# Altium PCB Main_Board.PcbDoc (part 2 of 2)
Units mm, origin at the board's own origin, x right, y up, seen from the top; angles counter-clockwise.
Board outline 51 x 118 mm, 4 copper layers (Top Layer, Layer 1, Layer 4, Bottom Layer), stack 0.603 mm thick; 237 components, 166 nets, 767 pads, 560 vias.
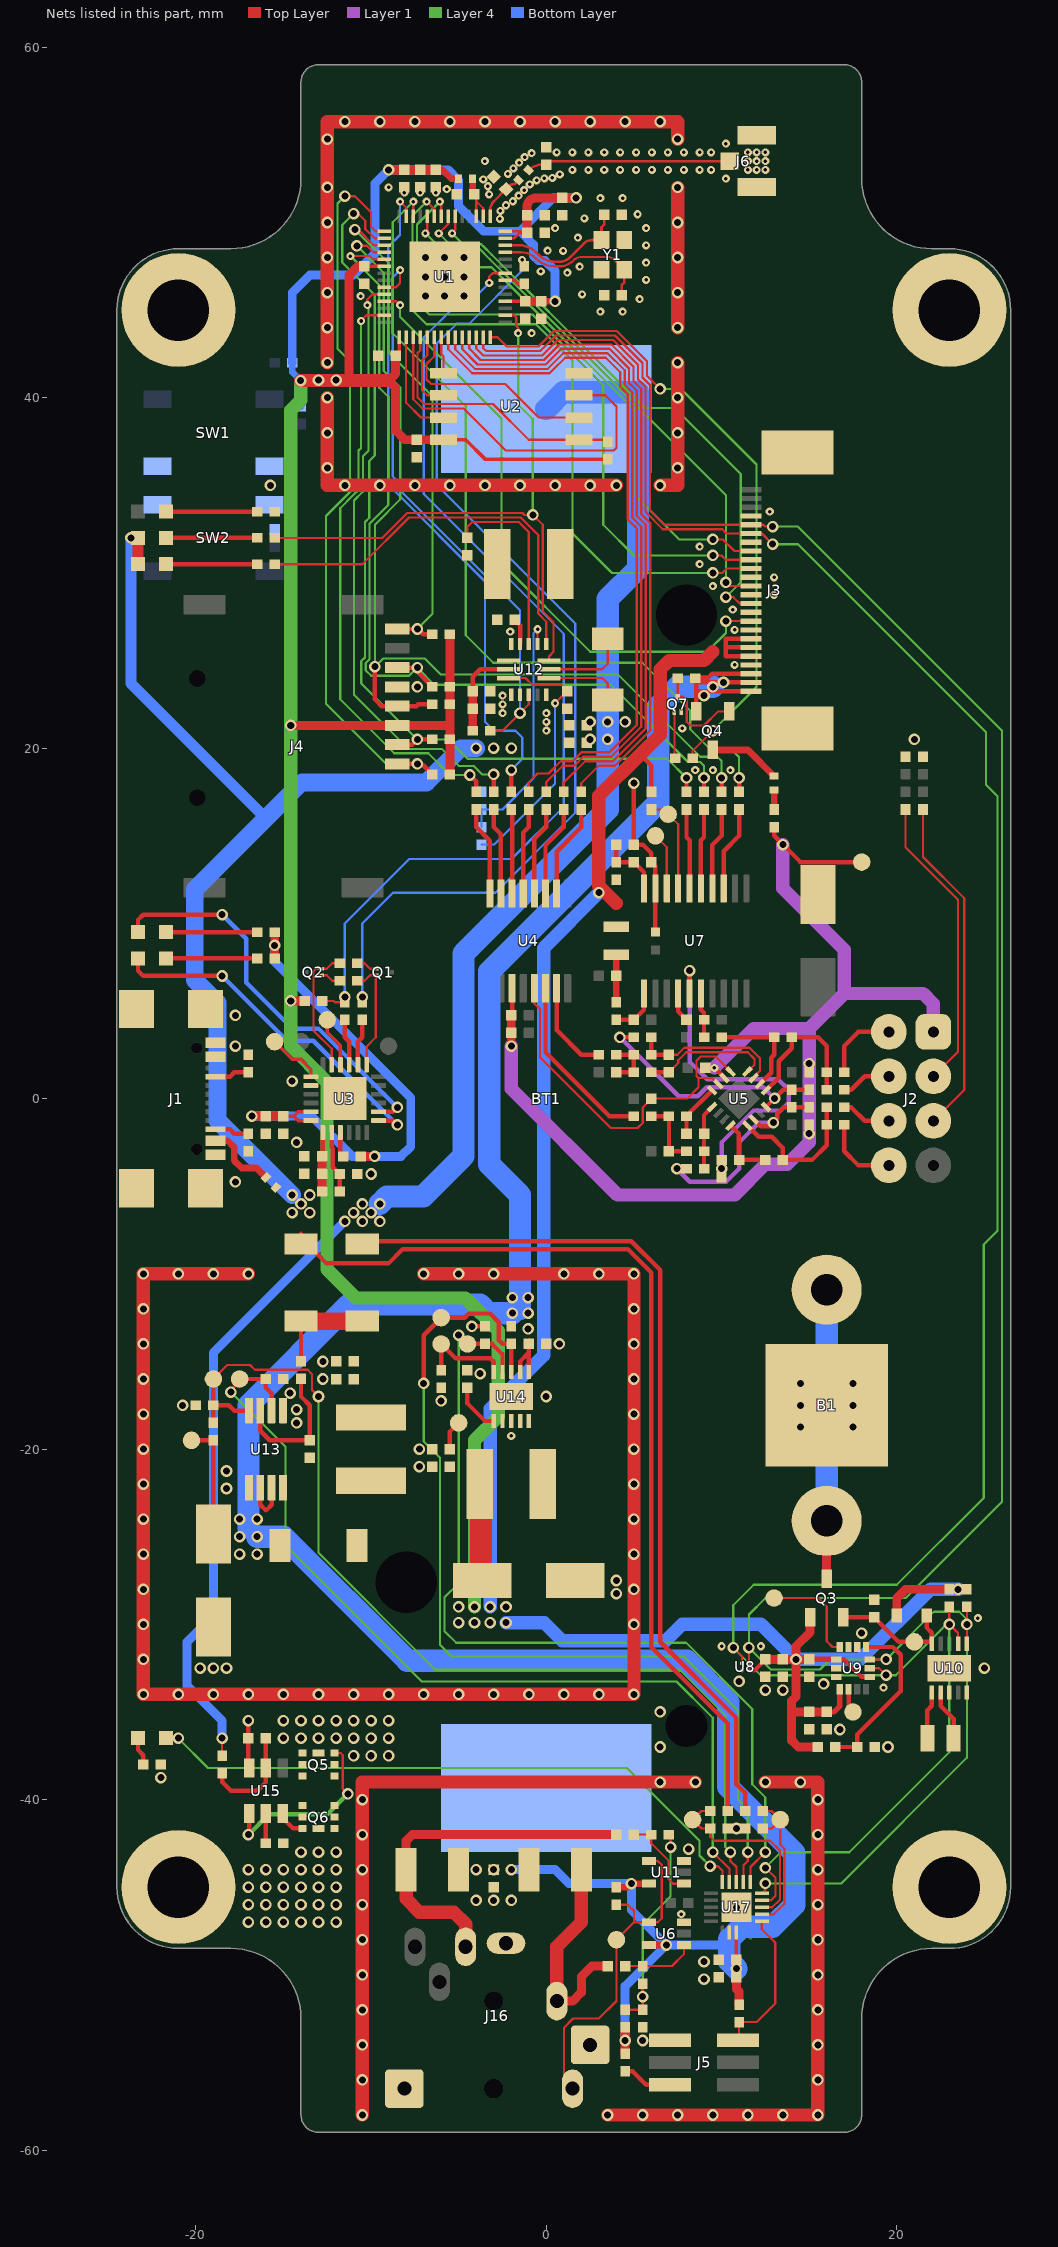
[diagram p4: the nets of this part, all layers, seen from the top]

## Via types
v1: diameter 0.66, hole 0.4, Top Layer to Bottom Layer, tented both sides, 434 vias
v2: diameter 0.46, hole 0.2, Top Layer to Bottom Layer, tented both sides, 126 vias

## Nets (pads, with @x,y where several pads share a name; then routed paths per layer and width w, separated by ;. In a path a pad name is that pad's centre, name@x,y a point inside that pad or via, vN(x,y) a via of type N, cw(c..) or ccw(c..) an arc to the next point about the centre after c; other vN are vias at no path point) (continued)
ESP32_UART_DSR: TP3.1 U3.22 | length 2.9
  Top Layer w0.203: TP3.1@-12.5,4.5 -12.5,3.79 -11.75,3.04 U3.22@-11.75,1.935
ESP32_UART_DTR: Q2.2 R16.2 U3.23 | length 7.4
  Top Layer w0.127: U3.23@-12.25,1.935 -12.25,2.847 -13.285,3.882 -13.285,7.269 -13.138,7.415 Q2.2@-12.87,7.415 -12.533,7.415 -12.223,7.725 R16.2@-11.8,7.725
ESP32_UART_RI_CLK: TP1.1 U3.1 | length 3.1
  Top Layer w0.203: TP1.1@-15.5,3.25 -14.5,2.25 -14,2.25 -13.435,1.685 U3.1@-13.435,1.25
ESP32_UART_RTS: Q1.2 R17.2 U3.19 | length 6.5
  Top Layer w0.127: R17.2@-10.8,6.725 -10.377,6.725 -10.067,7.035 Q1.2@-9.73,7.035 -9.73,3.495 -10.25,2.975 U3.19@-10.25,1.935
ESP32_UART_RXD: R1.1 R12.2 U1.50 | length 57.2
  Top Layer w0.127: R1.1@-12.785,5.575 -12.139,5.575 -12.064,5.5 R12.2@-11.5,5.5 ; v2(-3.258,46.547) -3.258,46.912 -3.07,47.1 U1.50@-2.346,47.1
  Bottom Layer w0.127: v1(-11.5,5.8) -11.5,10 -7.825,13.675 -1.985,13.675 0.996,16.656 0.996,26.523 -6.991,34.51 -6.991,43.45 -5.26,45.181 -4.624,45.181 v2(-3.258,46.547)
ESP32_UART_TXD: R2.2 R11.2 | length 56.7
  Top Layer w0.127: v2(-1.379,47.869) -1.25,47.74 R2.2@-1.25,47.5
  Bottom Layer w0.127: v1(-10.5,5.8) -10.5,10 -8.75,11.75 -2.9,11.75 1.657,16.307 1.657,27.114 -6.25,35.021 -6.25,43.091 -5.113,44.228 -4.405,44.228 -1.379,47.254 v2(-1.379,47.869)
GND: B1.2 C1.1 C2.1 C3.1 C4.1 C5.1 C6.1 C7.1 C8.1 C9.1 C10.1 C11.1 C12.1 C13.1 C14.2 C15.2 C16.1 C17.1 C18.1 C19.1 C20.1 C21.1 C32.1 C34.2 C35.1 C36.1 C37.1 C38.1 C40.1 C41.2 C43.1 C44.1 C45.1 C46.1 C48.1 C49.1 C50.1 C51.2 C52.1 C54.1 C55.1 C56.1 C59.1 C60.2 C61.1 C62.2 C63.2 J1.0 J1.A1/B12 J1.A12/B1 J3.0 J3.4 J3.8 J3.10 J3.12 J3.14 J3.18 J3.21 J4.6 J5.1 J6.2 J16.0 J16.1 NT1.1 pad.0 Q6.3 Q7.2 R5.1 R13.1 R14.1 R15.1 R59.1 R60.1 R61.1 R74.1 R82.1 R84.2 R85.1 R86.1 R90.1 R91.2 R93.1 R97.1 R99.1 SW1.3 SW1.4 SW2.1 SW2.2 U1.57 U2.4 U3.2 U3.25 U6.3 U7.19 U8.A1 U9.2 U9.3 U9.6 U9.7 U10.3 U10.5 U10.11 U11.3 U12.4 U12.5 U12.8 U12.16 U13.1 U13.5 U14.8 U14.10 U14.11 U17.17 U17.21 Y1.2 Y1.4 | length 248.5
  Top Layer w0.254: v1(-4.25,-13) R90.1@-3.5,-13 ; v1(5,18) C62.2@5,14.5 5.505,14.5 6,14.005 C32.1@6,13.5 6.225,13.275 U7.19@6.225,12 NT1.1@6.225,9.508
  Top Layer w0.762: v1(-17,-10) v1(-23,-10) v1(-23,-18) v1(-23,-22) v1(-23,-30) v1(-23,-34) v1(-21,-34) v1(-15,-34) v1(-13,-34) v1(-5,-34) v1(5,-34) v1(5,-24) v1(5,-20) v1(5,-12) v1(5,-10) v1(-7,-10) ; v1(-12.5,40) -12.5,35 v1(-9.5,35) v1(-3.5,35) v1(0.5,35) v1(2.5,35) v1(4,35) ; v1(-12.5,42) v1(-12.5,48) -12.5,55.75 v1(-9.5,55.75) -8.5,55.75 -6.5,55.75 -4.5,55.75 -2.5,55.75 ; v1(-10.5,-58) v1(-10.5,-54) v1(-10.5,-50) v1(-10.5,-44) -10.5,-39 v1(8.5,-39) ; -2.709,55.75 v1(2.5,55.75) v1(6.5,55.75) 7.5,55.75 v1(7.5,54.75) ; v1@3.5,-58 v1(9.5,-58) v1(15.5,-58) v1(15.5,-54) v1(15.5,-50) v1(15.5,-42) 15.5,-39 v1(14.5,-39) v1(12.5,-39) ; v1(6.5,35) 7.5,35 v1(7.5,36) v1@7.5,38.019 ; v1(7.5,38) v1(7.5,40) v1(7.5,42) ; v1(7.5,44) v1(7.5,46) v1(7.5,48) v1(7.5,50) v1(7.5,52)
  other v1: 3.5,-58 5.5,-58 7.5,-58 11.5,-58 13.5,-58 -10.5,-56 15.5,-56 5.5,-53.75 -10.5,-52 15.5,-52 9,-50.25 9,-49.25 -10.5,-48 15.5,-48 -17,-47 -16,-47 -15,-47 -14,-47 -13,-47 -12,-47 10.85,-46.15 -17,-46 -16,-46 -15,-46 -14,-46 -13,-46 -12,-46 -10.5,-46 15.5,-46 -4,-45.75 -3,-45.75 -2,-45.75 -17,-45 -16,-45 -15,-45 -14,-45 -13,-45 -12,-45 -17,-44 -16,-44 -15,-44 -14,-44 -13,-44 -12,-44 15.5,-44 -14,-43 -13,-43 -12,-43 8.117,-42.83 -10.5,-42 10.854,-41.65 -10.5,-40 15.5,-40 6.5,-39 -22,-38.75 6.5,-37 19.5,-37 16.75,-36 6.5,-35 -19,-34 -17,-34 -11,-34 -9,-34 -7,-34 -3,-34 -1,-34 1,-34 3,-34 12.5,-33.75 13.5,-33.75 15.831,-33.393 11,-33.25 -19.75,-32.5 -19,-32.5 -18.25,-32.5 25,-32.5 -23,-32 18,-30.5 5,-30 4,-28.25 -23,-28 5,-28 4,-27.5 -23,-26 5,-26 -23,-24 -18.25,-22.25 5,-22 -18.25,-21.25 -7.25,-21 -23,-20 -7.25,-20 14.5,-18.75 17.5,-18.75 -14.25,-18.5 5,-18 -14.25,-17.75 -20.75,-17.5 14.5,-17.5 17.5,-17.5 -6,-17.25 -0.005,-17 -14.622,-16.803 14.5,-16.25 17.5,-16.25 -23,-16 -12.75,-16 5,-16 -3.776,-15.694 -12.75,-15 -23,-14 0.75,-14 5,-14 -23,-12 -21,-10 -19,-10 -5,-10 -3,-10 1,-10 3,-10 -17.75,-4.75 -10,-4.3 -14.25,-2.5 -14.5,1 -17.75,3 -17.75,4.75 21,20.5 -7.362,23.5 -15.75,35 -11.5,35 -7.5,35 -5.5,35 -1.5,35 -12.5,36 -12.5,38 -12.5,44 -6.9,45.8 -5.8,45.8 -4.7,45.8 -12.5,46 -6.9,46.9 -5.8,46.9 -4.7,46.9 -6.9,48 -5.8,48 -4.7,48 -12.5,50 -12.5,52 -12.5,54.75 -11.5,55.75 -7.5,55.75 -5.5,55.75 -3.5,55.75 -1.5,55.75 0.5,55.75 4.5,55.75
  other v2: 7.699,-46.534 19.242,-33.612 10,-31.25 12.25,-31.25 24.629,-29.639 -2,-19.25 8.5,18.75 9.5,18.75 10.5,18.75 0,21 7.759,21.126 0,21.5 -2.5,22 0,22 -2.5,22.5 -2.5,23 10.75,24.75 -2.058,26.653 10.75,26.75 10.638,27.913 13,28.75 9.5,29.25 13,29.75 8.75,30.5 8.75,31.5 12.75,33.5 -0.844,43.689 3.089,44.914 4.35,44.914 5.324,45.621 -10.599,45.795 2.039,45.898 5.697,46.729 1.203,47.141 -0.316,47.21 1.902,47.482 5.697,47.712 0.962,48.377 0.072,48.396 5.697,48.696 1.798,49.13 0.503,49.676 5.697,49.68 -2.654,50.204 2.176,50.228 5.209,50.468 -2.622,50.663 -2.301,50.984 -1.907,51.211 3.089,51.386 4.35,51.386 -1.586,51.532 -3.265,51.608 -8.1,51.7 -7.2,51.7 -6.3,51.7 -1.265,51.853 -5.681,51.902 -9,52 -3.339,52.067 -0.944,52.174 -0.551,52.401 -3.6,52.457 10.25,52.5 -0.108,52.52 0.352,52.548 0.768,52.743 -2.197,52.769 1.49,53 2.398,53 3.306,53 4.214,53 5.122,53 6.03,53 6.938,53 7.846,53 8.754,53 9.408,53 11.5,53 12,53 12.5,53 -1.876,53.09 -1.555,53.411 -3.5,53.5 11.5,53.5 12,53.5 12.5,53.5 -1.234,53.732 -0.841,53.959 0.582,54 1.49,54 2.398,54 3.306,54 4.214,54 5.122,54 6.03,54 6.938,54 7.846,54 8.754,54 9.408,54 11.5,54 12,54 12.5,54 10.25,54.5
I2C_SCL: J3.19 R57.1 U1.40 U8.A2 U9.13 U10.7 U17.4 | length 149.7
  Top Layer w0.127: U1.40@-4,43.446 -4,42.814 -3.594,42.408 -0.237,42.408 0.653,43.298 3.812,43.298 5.233,41.877 5.233,41.049 5.668,40.614 5.668,33.473 6.645,32.496 10.042,32.496 10.288,32.25 J3.19@11.675,32.25 12.305,32.25 v1(12.912,31.643) ; v1(10.671,-31.334) 11.164,-31.827 U8.A2@11.164,-32.227 ; U17.4@12.3,-45.75 12.82,-45.75 13.074,-45.496 13.074,-44.468 v1(12.5,-43.893) ; U9.13@18.459,-32.5 18.993,-32.5 v1(19.397,-32.904) ; R57.1@23,-29 v1(23,-30) 23.5,-30.5 U10.7@23.5,-31.103
  Layer 4 w0.127: v1(12.5,-43.893) 13.384,-43.009 17.295,-43.009 23,-37.304 v1(23,-30) 22.839,-30 19.935,-32.904 v1(19.397,-32.904) 12.241,-32.904 v1(10.671,-31.334) 10.671,-28.909 11.834,-27.746 20.004,-27.746 24.963,-22.787 24.963,-8.326 25.746,-7.543 25.746,17.25 25.091,17.905 25.091,20.909 14.357,31.643 v1(12.912,31.643)
I2C_SDA: J3.20 R58.1 U1.41 U8.B2 U9.14 U10.6 U17.5 | length 149.2
  Top Layer w0.127: U1.41@-3.6,43.446 -3.6,42.828 -3.434,42.662 -0.342,42.662 0.548,43.552 3.917,43.552 5.487,41.982 5.487,41.154 5.922,40.719 5.922,33.578 6.75,32.75 J3.20@11.675,32.75 12.399,32.75 12.506,32.643 v1(12.912,32.643) ; U8.B2@11.564,-32.227 v1(11.564,-31.334) ; U17.5@12.3,-45.35 12.5,-45.15 v1(12.5,-44.787) 12.5,-44.766 v1@12.479,-44.787 ; U9.14@18.459,-32 18.46,-32.001 v1(19.397,-32.001) ; U10.6@24,-31.103 v1(24,-30) R58.1@24,-29
  Layer 4 w0.127: v1(12.5,-44.787) 16.825,-44.787 24,-37.611 v1(24,-30) 24,-29.712 23.569,-29.282 22.117,-29.282 v1(19.397,-32.001) 16.187,-32.001 15.615,-32.572 12.803,-32.572 v1(11.564,-31.334) 11.564,-29.436 12.495,-28.505 20.495,-28.505 26,-23 26,21 14.357,32.643 v1(12.912,32.643)
ISM330_INT1: TP7.1 U9.4 | length 6.1
  Top Layer w0.127: TP7.1@13,-28.5 15.5,-28.5 16,-29 16,-30.96 16.333,-31.293 U9.4@16.75,-31.293
ISM330_INT2: TP8.1 U9.9 | length 1.4
  Top Layer w0.254: U9.9@17.25,-33.706 17.25,-34.75 TP8.1@17.5,-35
LCD_CSX: J3.17 U1.10 | length 30.4
  Top Layer w0.127: v2(-6.897,49.38) -6.8,49.477 U1.10@-6.8,50.354 ; v1@9.627,31.914 10.074,31.914 10.738,31.25 J3.17@11.675,31.25
  Layer 4 w0.127: v2(-6.897,49.38) -6.345,48.829 -6.345,47.75 -6.044,47.449 -3.122,47.449 -2.016,46.343 -0.911,45.238 -0.762,45.089 5.104,39.224 5.104,34.396 7.586,31.914 v1(9.5,31.914)
LCD_D_CX: J3.16 U1.8 | length 37
  Top Layer w0.127: v2(-6.069,51.192) -6,51.123 U1.8@-6,50.354 ; v1(9.5,31) 9.994,31 10.244,30.75 J3.16@11.675,30.75
  Layer 4 w0.127: v2(-6.069,51.192) -7.382,49.878 -7.382,45.462 -6.674,44.754 -0.786,44.754 3.25,40.718 3.25,32.75 5,31 v1(9.5,31)
LCD_SDI: J3.13 U1.7 | length 30.3
  Top Layer w0.127: v2(-6.138,49.38) -5.6,49.918 U1.7@-5.6,50.354 ; v1(10.241,29.464) 10.455,29.25 J3.13@11.675,29.25
  Layer 4 w0.127: v2(-6.138,49.38) -5.258,48.5 -3.814,48.5 -3.223,47.909 -1.762,46.448 -1.179,45.865 5.529,39.158 10.256,34.431 10.256,29.479 v1(10.241,29.464)
LCD_SDO: J3.11 U1.6 | length 32.2
  Top Layer w0.127: v2(-5.38,49.38) -5.2,49.56 U1.6@-5.2,50.354 ; v1(10.241,28.621) 10.665,28.621 11.036,28.25 J3.11@11.675,28.25
  Layer 4 w0.127: v2(-5.38,49.38) -4.754,48.754 -3.708,48.754 -3.588,48.634 -3.118,48.163 -1.508,46.554 -0.925,45.97 1.285,43.76 5.634,39.412 7.329,39.412 11.09,35.651 11.09,29.469 v1(10.241,28.621)
LCD_WRX: J3.15 U1.9 | length 38.9
  Top Layer w0.127: v2(-6.827,51.192) -6.4,50.764 U1.9@-6.4,50.354 ; v1(9.5,30) 10.04,30 10.29,30.25 J3.15@11.675,30.25
  Layer 4 w0.127: v2(-6.827,51.192) -7.636,50.383 -7.636,44.999 -6.834,44.196 -0.587,44.196 1.5,42.109 1.5,32.25 3.75,30 v1(9.5,30)
LOAD_CELL_1: J2.8 R33.2 | length 4.4
  Top Layer w0.254: R33.2@17,1.5 17,3 17.81,3.81 J2.8@19.55,3.81
LOAD_CELL_2: J2.7 R34.2 | length 2.9
  Top Layer w0.254: R34.2@17,0.5 17.408,0.5 18.178,1.27 J2.7@19.55,1.27
LOAD_CELL_3: J2.6 R48.2 | length 2.9
  Top Layer w0.254: R48.2@17,-0.5 17.408,-0.5 18.178,-1.27 J2.6@19.55,-1.27
LOAD_CELL_4: J2.5 R50.2 | length 4.4
  Top Layer w0.254: R50.2@17,-1.5 17,-3 17.81,-3.81 J2.5@19.55,-3.81
LOAD_CELL_BIAS_12: C25.2 R18.1 R35.1 U5.15 | length 8.9
  Top Layer w0.127: C25.2@7,2.5 7.472,2.5 7.878,2.906 8.381,2.906 11.595,2.906 12.189,2.312 12.189,1.599 11.831,1.241 U5.15@11.831,1.184
  Top Layer w0.254: R35.1@6,3.5 R18.1@6,2.5 C25.2@7,2.5
LOAD_CELL_BIAS_34: C28.2 R28.1 R51.1 U5.5 | length 3.7
  Top Layer w0.254: R51.1@9,-4 R28.1@9,-3 C28.2@9,-2 9,-0.939 U5.5@9.462,-0.477
MCP3561_MCLK: TP6.1 U7.18 | length 3.3
  Top Layer w0.127: TP6.1@6.225,15 6.875,14.35 U7.18@6.875,12
MCP3561_nCS: R41.1 U1.12 | length 48.9
  Top Layer w0.127: U1.12@-7.6,50.354 -7.6,51.178 v2(-7.586,51.192)
  Top Layer w0.254: R41.1@11,17.5 v1(11,18.3)
  Layer 4 w0.127: v2(-7.586,51.192) -8.769,50.009 -8.769,43.682 -4.594,39.508 -4.594,26.442 -3.027,24.875 5.474,24.875 8.216,22.133 8.216,21.084 9.3,20 10.5,20 11,19.5 v1(11,18.3)
MCP3561_nIRQ: R40.1 TP5.1 U7.17 | length 5.5
  Top Layer w0.127: R40.1@6,16.5 6.686,16.5 TP5.1@6.957,16.229 7.525,15.661 U7.17@7.525,12
MP2615_VCC: C61.2 R70.1 U12.3 | length 14.9
  Top Layer w0.127: U12.3@-2.15,24 -1.187,24 -0.802,23.614 0.846,23.614 C61.2@1.198,23.262 v2(0.5,22.563)
  Bottom Layer w0.127: R70.1@-3.7,14.5 -2.964,14.5 0.5,17.964 0.5,19.083 0.5,21.42 v2(0.5,22.563)
nAC_OK: R71.2 U12.12 | length 23
  Top Layer w0.127: R71.2@-15.5,30.5 -10.5,30.5 -7.837,33.163 -1.461,33.163 -0.46,32.162 -0.46,28.44 -0.46,27.679 0,27.219 U12.12@0,25.95
nCHG_EN: R69.2 U1.23 U12.6 | length 33.6
  Top Layer w0.127: U1.23@-9.254,46.3 -8.573,46.3 -8.349,46.524 v2(-8.349,47.283) ; R69.2@-3.2,21 -2.5,21 v1(-1.5,22) -1,22.5 U12.6@-1,23.05
  Bottom Layer w0.127: v2(-8.349,47.283) -8.769,46.862 -8.769,35.517 -8.603,35.35 -8.603,34.979 -1.5,27.876 v1(-1.5,22)
nCHG_OK: R83.2 U1.44 U12.11 | length 36.6
  Top Layer w0.127: R83.2@-15.5,32 -9.359,32 -7.932,33.427 -1.361,33.427 -1.243,33.31 v1(-0.769,33.31) -0.206,32.747 -0.206,27.807 0.412,27.189 0.412,25.497 0.15,25.235 U12.11@0.15,25 ; U1.44@-2.346,44.7 -1.848,44.7 -1.72,44.573 -1.72,44.089 -1.605,43.974 v2(-1.605,43.689)
  Layer 4 w0.127: v2(-1.605,43.689) -1.605,39.605 -0.769,38.769 v1(-0.769,33.31)
NetB1_1: B1.1 Q3.3 | length 16.7
  Top Layer w0.508: Q3.3@16,-27.64 B1.1@16,-24.1
  Bottom Layer w1.27: B1.1@16,-24.1 B1.1@16,-10.9
NetBT1_2: BT1.2 C53.1 Q5.3 U15.6 | length 2.7
  Top Layer w0.254: v1(-17,-35.5) C53.1@-17,-36.5 -17,-38.15 U15.6@-16.95,-38.2
  other v1: -11,-37.5 -10,-37.5 -9,-37.5 -15,-36.5 -14,-36.5 -13,-36.5 -12,-36.5 -11,-36.5 -10,-36.5 -9,-36.5 -15,-35.5 -14,-35.5 -13,-35.5 -12,-35.5 -11,-35.5 -10,-35.5 -9,-35.5
NetC1_2: C1.2 L1.1 U1.1 | length 2.8
  Top Layer w0.147: U1.1@-3.2,50.354 -3.2,50.717 cw(c-2.517,50.717) -3,51.2 C1.2@-2.3,51.9 -2.095,52.105 cw(c-1.936,51.947) -1.936,52.171 ccw(c-1.936,52.43) -1.753,52.247 L1.1@-1.583,52.417
NetC2_2: C2.2 J6.1 L1.2 | length 11.7
  Top Layer w0.147: L1.2@-1.017,52.983 cw(c-0.251,52.217) -0.251,53.3 C2.2@0,53.3 0.227,53.5 J6.1@10.475,53.5
NetC10_2: C10.2 L2.2 U1.2 U1.3 | length 3.3
  Top Layer w0.127: C10.2@-4.1,51.6 -4,51.5 -4,51.215 ; U1.3@-4,50.354 -4,51.215 ; U1.2@-3.6,50.354 -3.6,50.815 -4,51.215
  Top Layer w0.381: L2.2@-4.2,52.5 -4.2,51.7 C10.2@-4.1,51.6
NetC14_1: C14.1 U1.54 Y1.3 | length 8.5
  Top Layer w0.147: U1.54@-2.208,48.672 -2.636,48.672 U1.54@-2.346,48.7 -1.551,48.7 cw(c-1.551,47.33) -0.582,48.299 -0.423,48.139 ccw(c0.483,49.045) 0.483,47.764 0.64,47.764 0.796,47.764 ccw(c0.797,48.421) 1.052,47.815 ccw(c0.667,48.735) 1.373,48.031 2.155,48.813 cw(c2.605,48.365) 2.605,49 Y1.3@3.15,49 3.15,49.726 3.3,49.876 C14.1@3.3,50.45
NetC15_1: C15.1 U1.53 Y1.1 | length 8.9
  Top Layer w0.127: U1.53@-2.346,48.3 -1.448,48.3 cw(c-1.448,47.114) -0.609,47.953 ccw(c0.483,49.045) 0.483,47.5 0.796,47.5 ; 0.797,47.5 ccw(c0.797,48.421) 1.151,47.571 ccw(c0.667,48.735) 1.559,47.844 cw(c2.018,47.384) 2.018,48.034 3.509,48.034 cw(c3.509,47.534) 3.864,47.886 Y1.1@4.45,47.3
  Top Layer w0.147: C15.1@4.3,45.85 4.3,46.424 4.45,46.574 Y1.1@4.45,47.3
NetC25_1: C25.1 R23.2 U5.16 | length 7.5
  Top Layer w0.127: C25.1@7,1.5 7.529,2.029 7.529,2.198 7.983,2.652 11.489,2.652 11.88,2.262 11.88,1.941 U5.16@11.477,1.538
  Top Layer w0.254: R23.2@6,1.5 C25.1@7,1.5
NetC26_2: C26.2 R18.2 R22.2 R23.1 | length 3
  Top Layer w0.254: C26.2@4,1.5 R23.1@5,1.5 R18.2@5,2.5 R22.2@4,2.5
NetC27_1: C27.1 U4.13 U5.1 U5.3 | length 21.5
  Top Layer w0.127: U4.13@-0.683,6.3 -0.683,5.428 -0.365,5.11 -0.365,2.365 3.675,-1.675 5.21,-1.675 5.5,-1.385 5.5,-0.5 C27.1@6,0 8.038,0 8.683,0.645 8.683,1.173 ; U5.3@9.816,0.831 9.473,1.173 8.683,1.173 ; U5.1@10.523,1.538 9.662,2.398 8.809,2.398 8.576,2.165 8.576,1.28 8.683,1.173
NetC28_1: C28.1 R30.2 U5.4 | length 3.1
  Top Layer w0.254: C28.1@8,-2 R30.2@8,-1 ; R30.2@8,-0.985 U5.4@9.462,0.477
NetC29_2: C29.2 R28.2 R29.2 R30.1 | length 5
  Top Layer w0.254: R29.2@6,-1 R30.1@7,-1 7,-2 ; R28.2@8,-3 C29.2@7,-3 ; C29.2@7,-3 7,-2 ; C29.2@7,-3 7,-2
NetC30_2: C30.2 R37.1 U7.1 | length 2.7
  Top Layer w0.254: R37.1@4,4.5 C30.2@5,4.5 5.575,5.075 U7.1@5.575,6
NetC31_1: C31.1 L4.1 R37.2 | length 2.7
  Top Layer w0.381: R37.2@4,5.5 C31.1@4,7 L4.1@4,8.2
NetC32_2: C32.2 C62.1 R39.1 U7.20 | length 3.7
  Top Layer w0.254: C62.1@4,14.5 R39.1@4,13.5 C32.2@5,13.5 5.575,12.925 U7.20@5.575,12
NetC33_2: C33.2 U7.4 | length 1.7
  Top Layer w0.254: U7.4@7.525,6 7.525,4.975 C33.2@8,4.5
NetC39_1: C39.1 L5.1 U12.1
NetC39_2: C39.2 U12.15 | length 1.5
  Top Layer w0.254: C39.2@-1.797,27.321 -1.5,27.023 U12.15@-1.5,25.95
NetC42_1: C42.1 R76.1 U13.3 | length 7.9
  Top Layer w0.254: U13.3@-16.325,-17.8 -16.325,-18.958 -15.783,-19.5 C42.1@-13.5,-19.5 -13.5,-17.5 -14,-17 R76.1@-14,-15.975
NetC42_2: C42.2 D6.2 L6.2 U13.8
NetC45_2: C45.2 C46.2 D4.1 D5.1 L6.1 R76.2 | length 5.8
  Top Layer w0.254: R76.2@-14,-14.975 D4.1@-14,-12.7
  Top Layer w1.016: D4.1@-14,-12.7 D5.1@-10.5,-12.7
NetC52_2: C52.2 U14.6 | length 2.8
  Top Layer w0.254: C52.2@-4.5,-16.5 -4.5,-17.399 -3.502,-18.397 U14.6@-3,-18.397
NetC53_2: C53.2 R92.2 U15.5 | length 5.9
  Top Layer w0.254: R92.2@-18.5,-38.5 -18.5,-39 -18,-39.5 -16.5,-39.5 -16,-39 U15.5@-16,-38.2 C53.2@-16,-36.5
NetC57_1: C57.1 R98.1 U11.1 | length 4.9
  Top Layer w0.127: C57.1@5,-42 R98.1@5.991,-42 5.991,-42.494 6.983,-43.486 6.983,-44.547 7.237,-44.8 U11.1@7.85,-44.8
NetC57_2: C57.2 J16.3 L9.1 | length 20.8
  Top Layer w0.508: L9.1@-8,-44 -8,-42.35 -7.65,-42 C57.2@4,-42
  Top Layer w0.762: L9.1@-8,-44 -8,-45.663 -7.242,-46.421 -5.282,-46.421 -4.6,-47.103 J16.3@-4.6,-48.4
NetC58_1: C58.1 R96.1 U6.1 | length 4.2
  Top Layer w0.127: C58.1@4.5,-49.5 R96.1@5.5,-49.5 6,-49.5 7.171,-49.5 7.85,-48.82 U6.1@7.85,-48.3
NetC58_2: C58.2 J16.2 L10.1 | length 12.3
  Top Layer w0.508: J16.2@0.6,-51.5 1.5,-51.5 2,-51 2,-50.1 2.6,-49.5 C58.2@3.5,-49.5
  Top Layer w0.762: J16.2@0.6,-51.5 0.6,-49.5 0.6,-48.4 2,-47 L10.1@2,-44
NetC60_1: C60.1 U12.14 | length 10.9
  Top Layer w0.127: C60.1@-4.5,32 -4.5,32.637 -4.228,32.909 -1.569,32.909 -1.574,32.904 -1,32.331 U12.14@-1,25.95
NetC63_1: C63.1 D9.1 Q3.2 TP9.1 U10.10 | length 7.4
  Top Layer w0.254: Q3.2@16.95,-29.6 C63.1@18.703,-29.6 20.103,-31 TP9.1@21,-31 U10.10@22,-31 ; D9.1@21.7,-29.5 21.7,-30.175 22,-30.475 U10.10@22,-31 ; U10.10@22,-31.103 U10.10@22,-31
NetD1_2: D1.2 R5.2 | length 5.2
  Top Layer w0.254: D1.2@-21.7,33.5 R5.2@-16.5,33.5
NetD2_1: D2.1 R7.1 | length 5.2
  Top Layer w0.254: D2.1@-21.7,8 R7.1@-16.5,8
NetD2_2: D2.2 U3.13 | length 20.3
  Top Layer w0.254: D2.2@-23.3,8 -23.3,7.3 -23,7 v1(-18.5,7) ; U3.13@-9.565,-1.25 -8.75,-1.25 v1(-8.5,-1.5)
  Bottom Layer w0.254: v1(-18.5,7) -14.801,3.301 -13.301,3.301 v1(-8.5,-1.5)
NetD3_1: D3.1 R8.1 | length 5.2
  Top Layer w0.254: D3.1@-21.7,9.5 R8.1@-16.5,9.5
NetD3_2: D3.2 U3.14 | length 22.8
  Top Layer w0.254: D3.2@-23.3,9.5 -23.3,10.2 -23,10.5 v1(-18.5,10.5) ; U3.14@-9.565,-0.75 -8.75,-0.75 v1(-8.5,-0.5)
  Bottom Layer w0.254: v1(-18.5,10.5) -17.125,9.125 -17.125,6.625 -14.5,4 -13,4 v1(-8.5,-0.5)
NetD7_2: D7.2 R83.1 | length 5.2
  Top Layer w0.254: D7.2@-21.7,32 R83.1@-16.5,32
NetD8_2: D8.2 R97.2 | length 1.6
  Top Layer w0.254: D8.2@-23.3,-36.5 -23.3,-37.164 -23,-37.464 R97.2@-23,-38
NetD10_2: D10.2 R71.1 | length 5.2
  Top Layer w0.254: D10.2@-21.7,30.5 R71.1@-16.5,30.5
NetJ1_A4/B9: J1.A4/B9 J1.A9/B4 L3.1 | length 4.2
  Top Layer w0.381: J1.A9/B4@-18.875,-2.4 -18.181,-2.4 -17.815,-2.767 -17.815,-3.525 -17.378,-3.962 -16.538,-3.962 L3.1@-16,-4.5
NetJ1_A5: J1.A5 R15.2 | length 2
  Top Layer w0.254: J1.A5@-18.875,1.25 -18.052,1.25 -17.802,1.5 R15.2@-17,1.5
NetJ1_B5: J1.B5 R14.2 | length 2
  Top Layer w0.254: J1.B5@-18.875,-1.75 -18.052,-1.75 -17.802,-2 R14.2@-17,-2
NetJ2_2: J2.2 R67.2 | length 17.1
  Top Layer w0.127: R67.2@20.5,16.5 20.5,14.351 23.5,11.351 23.5,2.68 J2.2@22.09,1.27
NetJ2_3: J2.3 R68.2 | length 19.5
  Top Layer w0.127: R68.2@21.5,16.5 21.5,13.789 23.851,11.438 23.851,0.491 J2.3@22.09,-1.27
NetJ5_3: J5.3 R94.1 | length 2.9
  Top Layer w0.254: R94.1@4.5,-55.5 4.922,-55.5 5.692,-56.27 J5.3@7.05,-56.27
NetL5_2: L5.2 R63.1 U12.10 | length 4.9
  Top Layer w0.127: U12.10@0.15,24.5 3.178,24.5 3.5,24.822 R63.1@3.5,26.25
NetL7_1: L7.1 U14.9
NetL8_1: L8.1 Q4.3 | length 4.1
  Top Layer w0.381: Q4.3@9.5,19.9 11.5,19.9 L8.1@13,18.4
NetL8_2: L8.2 R87.1 | length 1.1
  Top Layer w0.381: R87.1@13,16.5 L8.2@13,17.6
NetQ1_1: Q1.1 R16.1 | length 1.2
  Top Layer w0.127: R16.1@-10.8,7.725 -10.377,7.725 -10.067,7.415 Q1.1@-9.73,7.415
NetQ2_1: Q2.1 R17.1 | length 1.2
  Top Layer w0.127: Q2.1@-12.87,7.035 -12.533,7.035 -12.223,6.725 R17.1@-11.8,6.725
NetQ4_1: Q4.1 Q7.3 R89.1 | length 5.7
  Top Layer w0.127: R89.1@7.5,24 Q7.3@7.5,22.93 7.807,22.93 8.012,22.725 8.012,21.505 8.227,21.29 8.998,21.29 9.808,22.1 Q4.1@10.45,22.1
NetQ5_1: Q5.1 Q6.1
NetQ5_2: Q5.2 U15.1 | length 10.7
  Top Layer w0.127: Q5.2@-12.087,-37.35 -11.733,-37.35 -11.611,-37.472 -11.611,-39.389 v1(-11.327,-39.673)
  Top Layer w0.254: v1(-17,-42) -16.95,-42 U15.1@-16.95,-40.8
  Layer 4 w0.254: v1(-17,-42) -15.839,-40.839 -12.492,-40.839 v1(-11.327,-39.673)
NetQ6_2: Q6.2 U15.3 | length 1.6
  Top Layer w0.254: U15.3@-15.05,-40.8 -15.05,-41.05 -14.45,-41.65 Q6.2@-13.913,-41.65
NetQ7_1: Q7.1 R49.1 | length 2.8
  Top Layer w0.127: R49.1@7.275,19.241 7.31,19.276 Q7.1@7.31,22.07
NetR2_1: R2.1 U1.49 | length 1.2
  Top Layer w0.203: U1.49@-2.346,46.7 -1.837,46.7 -1.637,46.5 R2.1@-1.25,46.5
NetR9_2: R9.2 R13.2 U3.8 | length 3.6
  Top Layer w0.254: U3.8@-12.25,-1.935 -12.25,-2.78 -12.195,-2.835 -12.195,-3.906 R13.2@-11.8,-4.3 R9.2@-11.8,-5.3
NetR10_1: R10.1 U3.9 | length 1.4
  Top Layer w0.254: U3.9@-11.75,-1.935 -11.75,-3.152 R10.1@-11.6,-3.3 R10.1@-11.6,-3.3
NetR11_1: R11.1 U3.20 | length 2.7
  Top Layer w0.254: U3.20@-10.75,1.935 -10.75,3.25 -10.5,3.5 R11.1@-10.5,4.5
NetR12_1: R12.1 U3.21 | length 2.7
  Top Layer w0.254: R12.1@-11.5,4.5 -11.5,3.5 -11.25,3.25 U3.21@-11.25,1.935
NetR19_2: R19.2 U4.2 | length 5.4
  Top Layer w0.254: U4.2@0.587,11.7 0.587,14.087 2,15.5 R19.2@2,16.5
NetR20_2: R20.2 U4.3 | length 5.2
  Top Layer w0.254: U4.3@-0.048,11.7 -0.048,14.452 1,15.5 R20.2@1,16.5
NetR21_2: R21.2 U4.4 | length 5.1
  Top Layer w0.254: U4.4@-0.683,11.7 -0.683,14.817 0,15.5 R21.2@0,16.5
NetR22_1: R22.1 U4.15 | length 5.4
  Top Layer w0.254: U4.15@0.587,6.3 0.587,3.912 2,2.5 R22.1@3,2.5
NetR24_2: R24.2 U4.5 | length 4.9
  Top Layer w0.254: U4.5@-1.318,11.7 -1.318,15.182 -1,15.5 R24.2@-1,16.5
NetR25_2: R25.2 U4.6 | length 4.8
  Top Layer w0.254: R25.2@-2,16.5 -1.953,16.453 U4.6@-1.953,11.7
NetR26_2: R26.2 U4.7 | length 5
  Top Layer w0.254: R26.2@-3,16.5 -3,15.5 -2.588,15.088 U4.7@-2.588,11.7
NetR27_2: R27.2 U4.8 | length 5.1